# KiCad board module.kicad_pcb
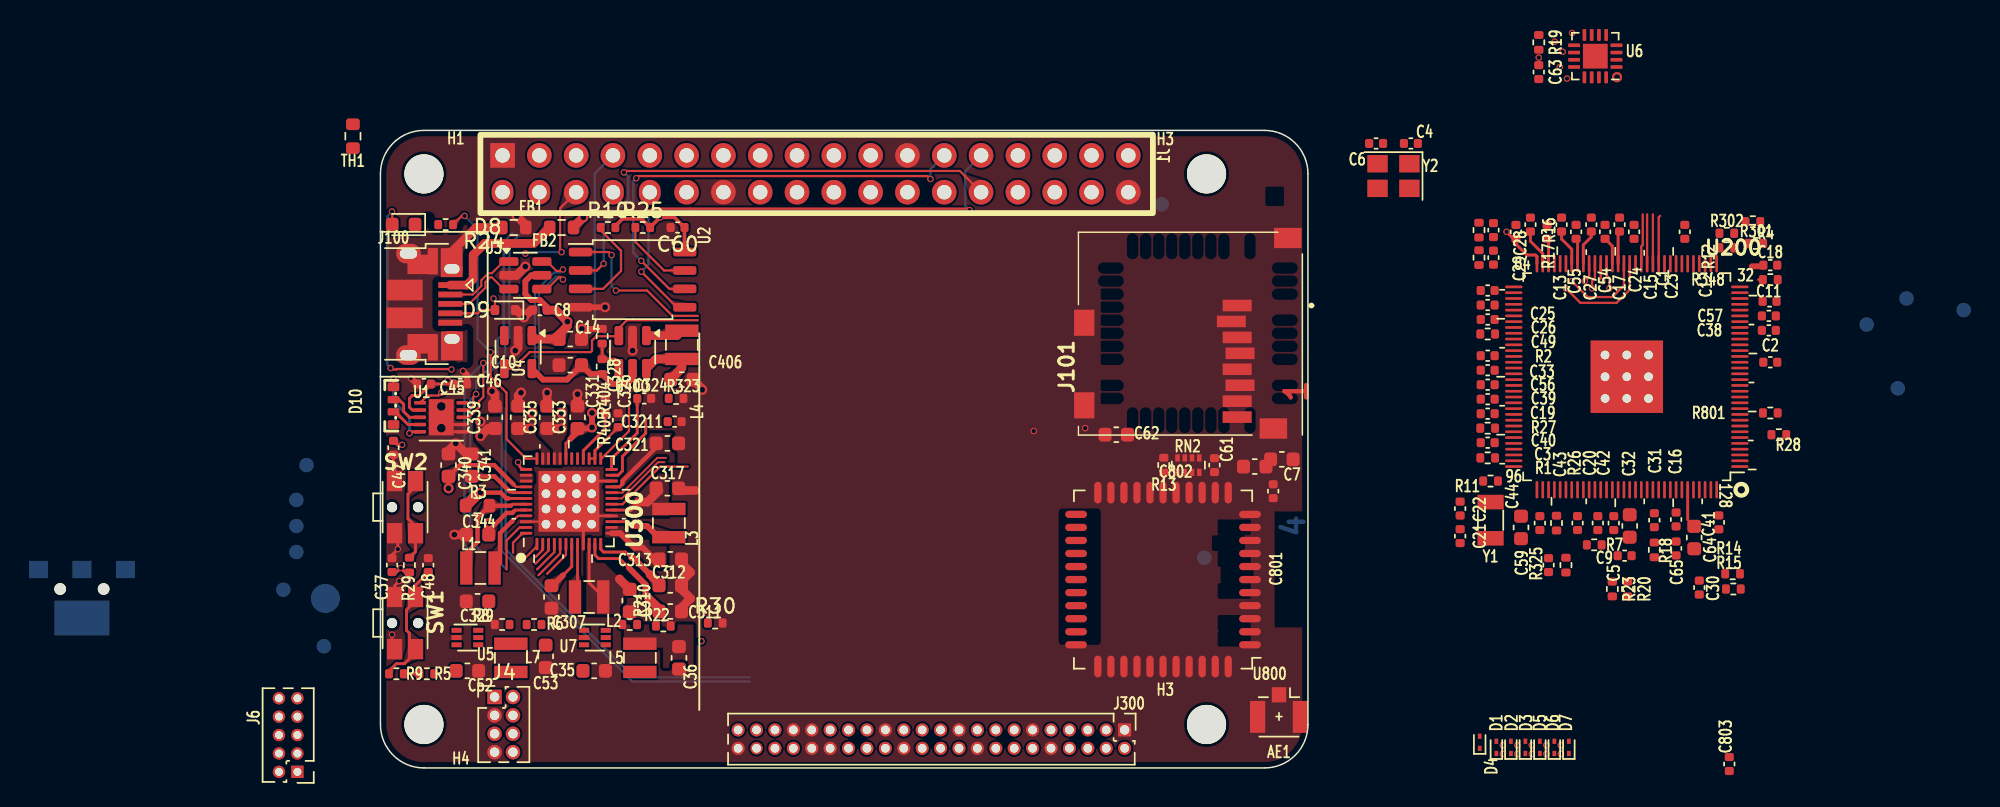
[diagram p0: board, top side]
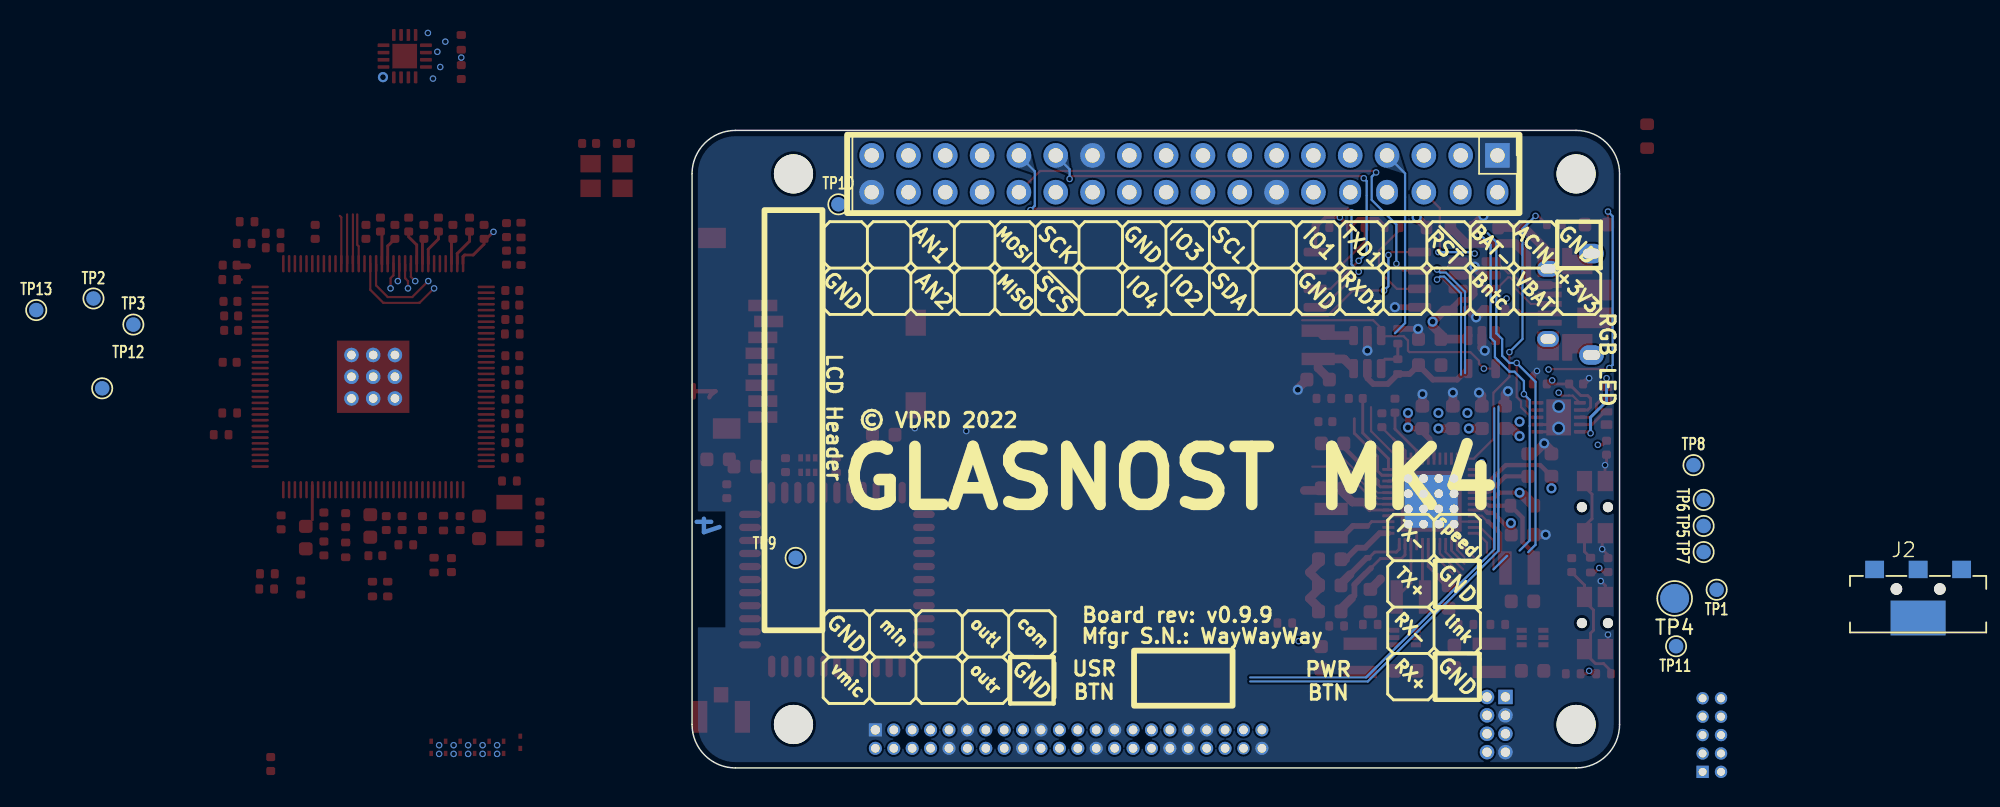
[diagram p1: board, bottom side, seen from below]

Outline 64 x 44 mm; copper layers: Top, In1.Cu (plane), In2.Cu (plane), Bottom. Coordinates in mm from the lower left corner of the outline.
Outline path: 0,41 0,3 arc(0.88,0.88) 3,0 61,0 arc(63.12,0.88) 64,3 64,41 arc(63.12,43.12) 61,44 3,44 arc(0.88,43.12) 0,41
Stack: Top 0.035mm / dielectric 0.2mm FR4 er 4.5 / In1.Cu 0.0175mm / dielectric 0.465mm FR4 er 4.5 / In2.Cu 0.0175mm / dielectric 0.2mm FR4 er 4.5 / Bottom 0.035mm

## Placement (name value [footprint] x y rotation side)
AE1  Antenna_Shield  [U.FL_Hirose_U.FL-R-SMT-1_Vertical]  62 4 270 top
C1  100nF  [C_0402_1005Metric]  85.5 37.5 90 top
C2  100nF  [C_0402_1005Metric]  95.9 28 0 top
C3  100nF  [C_0402_1005Metric]  76.4 22.45 180 top
C4  22pF  [C_0402_1005Metric]  71.1 43.1 0 top
C5  100nF  [C_0402_1005Metric]  85.1 16.9 270 top
C6  22pF  [C_0402_1005Metric]  68.7 43.1 180 top
C7  10uF  [C_0603_1608Metric]  62.2 21.3 0 top
C8  100nF  [C_0402_1005Metric]  11 31.6 180 top
C9  1uF  [C_0402_1005Metric]  85.85 14.65 180 top
C10  10uF  [C_0603_1608Metric]  13.1 27.8 180 top
C11  100nF  [C_0402_1005Metric]  95.85 32.2 0 top
C12  100nF  [C_0402_1005Metric]  90 37 90 top
C13  100nF  [C_0402_1005Metric]  78.35 37 90 top
C14  10uF  [C_0603_1608Metric]  13.1 29.6 0 top
C15  100nF  [C_0402_1005Metric]  84.5 37 90 top
C16  100nF  [C_0402_1005Metric]  89.4 17.15 270 top
C17  100nF  [C_0402_1005Metric]  82.5 37 90 top
C18  100nF  [C_0402_1005Metric]  95.9 34.7 0 top
C19  100nF  [C_0402_1005Metric]  76.4 25.45 180 top
C20  100nF  [C_0402_1005Metric]  82.6 16.9 270 top
C21  22pF  [C_0402_1005Metric]  74.5 16 90 top
C22  22pF  [C_0402_1005Metric]  74.5 17.9 270 top
C23  100nF  [C_0402_1005Metric]  86.5 37 90 top
C24  100nF  [C_0402_1005Metric]  83.55 37.5 90 top
C25  100nF  [C_0402_1005Metric]  76.4 32.95 180 top
C26  100nF  [C_0402_1005Metric]  76.4 31.95 180 top
C27  100nF  [C_0402_1005Metric]  80.5 37 90 top
C28  100nF  [C_0402_1005Metric]  76.8 37.12 270 top
C29  100nF  [C_0402_1005Metric]  76.8 35.22 270 top
C30  1uF  [C_0402_1005Metric]  91 12.45 270 top
C31  1uF  [C_0402_1005Metric]  87.9 17.1 270 top
C32  10uF  [C_0603_1608Metric]  86.2 16.7 270 top
C33  100nF  [C_0402_1005Metric]  76.4 28.45 180 top
C35  10uF  [C_0603_1608Metric]  14.75 6.7 0 top
C36  10uF  [C_0603_1608Metric]  20.6 7.6 270 top
C37  100nF  [C_0402_1005Metric]  0.8 14 90 top
C38  100nF  [C_0402_1005Metric]  95.8 30.2 0 top
C39  100nF  [C_0402_1005Metric]  76.4 26.45 180 top
C40  100nF  [C_0402_1005Metric]  76.4 24.45 180 top
C41  100nF  [C_0402_1005Metric]  92.35 16.95 270 top
C42  100nF  [C_0402_1005Metric]  84 16.9 270 top
C43  1uF  [C_0402_1005Metric]  80 16.9 270 top
C44  4.7uF  [C_0603_1608Metric]  78.7 16.6 270 top
C45  1uF  [C_0402_1005Metric]  3 26.5 180 top
C46  100nF  [C_0402_1005Metric]  5.5 26.5 0 top
C47  1uF  [C_0402_1005Metric]  0.9 22.1 270 top
C48  100nF  [C_0402_1005Metric]  3.3 14 90 top
C49  100nF  [C_0402_1005Metric]  76.4 30.95 180 top
C52  10uF  [C_0603_1608Metric]  6 6.7 0 top
C53  10uF  [C_0603_1608Metric]  11.4 7.7 270 top
C54  100nF  [C_0402_1005Metric]  81.5 37.5 90 top
C55  100nF  [C_0402_1005Metric]  79.35 37.5 90 top
C56  100nF  [C_0402_1005Metric]  76.4 27.45 180 top
C57  100nF  [C_0402_1005Metric]  95.8 31.2 0 top
C59  10nF  [C_0402_1005Metric]  80.6 14 270 top
C60  1uF  [C_0402_1005Metric]  20.5 37.3 180 top
C61  100nF  [C_0402_1005Metric]  57.55 20.9 270 top
C62  4.7uF  [C_0603_1608Metric]  50.77 23 0 top
C63  1uF  [C_0402_1005Metric]  79.93 48.02 270 top
C64  10uF  [C_0603_1608Metric]  90.65 15.9 270 top
C65  100nF  [C_0402_1005Metric]  89.4 15.15 90 top
C307  10uF  [C_0603_1608Metric]  11.8 11.8 270 top
C310  10uF  [C_0603_1608Metric]  17.2 11.55 270 top
C311  4.7uF  [C_0603_1608Metric]  20 10.8 0 top
C312  4.7uF  [C_0603_1608Metric]  20 12.6 0 top
C313  10uF  [C_0603_1608Metric]  20 14.4 0 top
C317  10uF  [C_0603_1608Metric]  19.8 19.3 0 top
C321  4.7uF  [C_0603_1608Metric]  19.8 22.4 0 top
C324  1uF  [C_0402_1005Metric]  18.2 25.5 0 top
C326  1uF  [C_0402_1005Metric]  16.4 24 90 top
C328  1uF  [C_0402_1005Metric]  15.5 25 90 top
C329  10uF  [C_0603_1608Metric]  6.7 11.5 180 top
C331  10uF  [C_0603_1608Metric]  13.6 24.2 90 top
C333  10uF  [C_0603_1608Metric]  11.5 24.2 90 top
C335  10uF  [C_0603_1608Metric]  9.5 24.2 90 top
C339  10uF  [C_0603_1608Metric]  7.9 24.2 90 top
C340  10uF  [C_0603_1608Metric]  4.7 20.9 90 top
C341  4.7uF  [C_0603_1608Metric]  6.3 20.9 90 top
C344  4.7uF  [C_0603_1608Metric]  6.7 16.1 180 top
C406  10uF  [C_0603_1608Metric]  20.8 26.8 0 top
C801  100nF  [C_0402_1005Metric]  61.6 19.1 270 top
C802  4.7uF  [C_0603_1608Metric]  60.32 20.8 0 top
C803  100nF  [C_0402_1005Metric]  93.07 0.27 90 top
C3211  100nF  [C_0402_1005Metric]  20.3 23.9 0 top
D1  3V3  [D_SOD-923]  77 1.42 90 top
D2  3V3  [D_SOD-923]  78 1.42 90 top
D3  3V3  [D_SOD-923]  79 1.42 90 top
D4  3V3  [D_SOD-923]  75.85 1.77 90 top
D5  3V3  [D_SOD-923]  80 1.42 90 top
D6  3V3  [D_SOD-923]  81 1.42 90 top
D7  3V3  [D_SOD-923]  82 1.42 90 top
D8  LED_Small  [LED_0603_1608Metric]  1.6 37.5 180 top
D9  5V  [D_SOD-523]  8.6 31.6 180 top
D10  LED_RGBA  [rgb-1204]  0.4 25 90 top
FB1  FerriteBead_Small  [R_0603_1608Metric]  9.2 37.3 0 top
FB2  FerriteBead_Small  [R_0603_1608Metric]  12.5 37.3 0 top
H1  MountingHole  [MountingHole_2.7mm_M2.5]  3 41 0 top
H3  MountingHole  [MountingHole_2.7mm_M2.5]  57 3 0 top
H3#2  MountingHole  [MountingHole_2.7mm_M2.5]  57 41 0 top
H4  MountingHole  [MountingHole_2.7mm_M2.5]  3 3 0 top
J1  Conn_02x18_Odd_Even  [PinHeader_2x18_P2.54mm_Vertical]  8.42 42.27 270 bottom
J2  Conn_01x03_MountingPin  [BY03-3060Y]  -20.6 13.05 180 bottom
J4  Conn_02x04_Odd_Even  [PinHeader_2x04_P1.27mm_Vertical]  7.88 4.9 0 top
J6  Conn_02x05_Odd_Even  [PinHeader_2x05_P1.27mm_Vertical]  -5.73 -0.27 180 top
J100  USB_B_Micro  [USB_Micro-B_Amphenol_10103594-0001LF_Horizontal]  3.05 32 270 top
J101  Micro_SD_Card_Det  [MEM20610118800A]  59.11 24.22 90 top
J300  Conn_02x22_Odd_Even  [PinHeader_2x22_P1.27mm_Vertical]  51.35 2.62 270 top
L1  4.7uH  [L_Wuerth_MAPI-2512]  6.9 13.8 180 top
L2  4.7uH  [L_Wuerth_MAPI-2512]  14.4 11.8 0 top
L3  4.7uH  [L_Wuerth_MAPI-2512]  19.9 16.9 90 top
L4  4.7uH  [L_Wuerth_MAPI-2510]  20.8 29.2 270 top
L5  1uH  [L_Wuerth_MAPI-2510]  17.9 7.6 90 top
L7  1uH  [L_Wuerth_MAPI-2510]  9 7.6 90 top
R1  6.04k  [R_0402_1005Metric]  76.4 21.4 180 top
R2  240  [R_0402_1005Metric]  76.4 29.95 180 top
R3  30m  [R_0603_1608Metric]  6.7 18.1 180 top
R4  2.2k  [R_0402_1005Metric]  94.7 37.7 0 top
R5  1k  [R_0402_1005Metric]  3.2 6.5 0 top
R6  ~  [R_0402_1005Metric]  10.6 9.9 180 top
R7  24  [R_0402_1005Metric]  83.75 15.4 180 top
R8  200k  [R_0402_1005Metric]  8.4 9.9 180 top
R9  1k  [R_0402_1005Metric]  1.1 6.5 0 top
R10  10k  [R_0402_1005Metric]  15.7 37.3 0 top
R11  10M  [R_0402_1005Metric]  76.6 19.8 180 top
R12  100K  [R_0402_1005Metric]  92.9 35.9 180 top
R13  33k  [R_0402_1005Metric]  54.05 20.9 90 top
R14  33k  [R_0402_1005Metric]  93.3 13.4 0 top
R15  33k  [R_0402_1005Metric]  93.35 12.35 0 top
R16  2.2k  [R_0402_1005Metric]  75.8 37.12 90 top
R17  2.2k  [R_0402_1005Metric]  75.8 35.22 90 top
R18  200k  [R_0402_1005Metric]  87.9 15.05 270 top
R19  2.2k  [R_0402_1005Metric]  79.93 50.08 270 top
R20  0  [R_0402_1005Metric]  86.05 12.35 270 top
R21  200k  [R_0402_1005Metric]  17.2 9.9 0 top
R22  100k  [R_0402_1005Metric]  19.52 9.8 0 top
R23  0  [R_0402_1005Metric]  85 12.35 270 top
R24  2.2k  [R_0402_1005Metric]  4.5 37.5 0 top
R25  10k  [R_0402_1005Metric]  18.1 37.3 0 top
R26  10k  [R_0402_1005Metric]  81.15 16.9 270 top
R27  10k  [R_0402_1005Metric]  76.4 23.45 0 top
R28  10k  [R_0402_1005Metric]  96.49 23 0 top
R29  1k  [R_0402_1005Metric]  2 14 270 top
R30  47k  [R_0402_1005Metric]  23.1 10 0 top
R301  1.8k  [R_0402_1005Metric]  94.9 36.2 0 top
R302  1.8k  [R_0402_1005Metric]  92.9 36.9 0 top
R323  200K  [R_0402_1005Metric]  20.4 25.5 0 top
R325  47k  [R_0402_1005Metric]  81.8 14 270 top
R348  47k  [R_0402_1005Metric]  95.9 33.7 180 top
R404  562k  [R_0402_1005Metric]  15.3 29.8 90 top
R405  976k  [R_0402_1005Metric]  15.3 27.7 90 top
R801  24  [R_0402_1005Metric]  95.9 24.5 0 top
RN2  33k  [R_Array_Concave_4x0402]  55.75 20.9 270 top
SW1  SW_Push  [SW_SPST_EVQP7C]  1.7 10 270 top
SW2  SW_Push  [SW_SPST_EVQP7C]  1.7 18 270 top
TH1  Thermistor_NTC  [R_0603_1608Metric]  -1.9 43.6 90 top
TP1  TestPoint  [TestPoint_Pad_D1.0mm]  -6.7 12.3 180 bottom
TP2  TestPoint  [TestPoint_Pad_D1.0mm]  105.3 32.4 180 bottom
TP3  TestPoint  [TestPoint_Pad_D1.0mm]  102.55 30.6 180 bottom
TP4  TestPoint  [TestPoint_Pad_D2.0mm]  -3.8 11.7 0 bottom
TP5  TestPoint  [TestPoint_Pad_D1.0mm]  -5.8 16.7 90 bottom
TP6  TestPoint  [TestPoint_Pad_D1.0mm]  -5.8 18.5 90 bottom
TP7  TestPoint  [TestPoint_Pad_D1.0mm]  -5.8 14.9 90 bottom
TP8  TestPoint  [TestPoint_Pad_D1.0mm]  -5.1 20.9 180 bottom
TP9  TestPoint  [TestPoint_Pad_D1.0mm]  56.85 14.5 180 bottom
TP10  TestPoint  [TestPoint_Pad_D1.0mm]  53.9 38.9 180 bottom
TP11  TestPoint  [TestPoint_Pad_D1.0mm]  -3.9 8.4 180 bottom
TP12  TestPoint  [TestPoint_Pad_D1.0mm]  104.7 26.2 180 bottom
TP13  TestPoint  [TestPoint_Pad_D1.0mm]  109.25 31.6 180 bottom
U1  IS31FL3193  [DFN-10-1EP_3x3mm_P0.5mm_EP1.7x2.5mm]  4.2 24.2 0 top
U2  MX25R3235FM2xx1  [SOP-8_5.28x5.23mm_P1.27mm]  17.4 33.7 0 top
U3  USBLC6-2P6  [SOT-23-6]  10 34 0 top
U4  AP22811  [SOT-23-5]  9.5 28.7 270 top
U5  AP61100  [SOT-563]  6 9 0 top
U6  PCA6408A  [QFN-16-1EP_3x3mm_P0.5mm_EP1.7x1.7mm]  83.82 49.12 180 top
U7  AP61100  [SOT-563]  14.8 9 0 top
U200  V3s  [QFP-128_14x14_Pitch0.4mm]  86 27 180 top
U300  AXP203  [QFN-48-1EP_6x6mm_P0.4mm_EP4.2x4.2mm_ThermalVias]  13 18.4 90 top
U400  MCP1640CH  [SOT-23-6]  17.4 28.7 270 top
U800  RTL8723BS  [lga44_12x12mm_P0.9]  54 13 180 top
Y1  Crystal_Small  [Crystal_SMD_3215-2Pin_3.2x1.5mm]  76.6 17.1 90 top
Y2  24MHz  [Crystal_SMD_3225-4Pin_3.2x2.5mm]  69.9 40.85 180 top

## Library data of the parts
C1-C33 C35-C49 C52-C57 C59-C65 C307 C310-C313 C317 C321 C324 C326 C328 C329 C331 C333 C335 C339-C341 C344 C406 C801-C803 C3211 = -: ki_fp_filters: C_*
D1-D7 D9 = -: Datasheet: https://www.onsemi.com/pub/Collateral/ESD9B-D.PDF; ki_fp_filters: D*SOD?923*
D8 D10 = -: ki_fp_filters: LED* LED_SMD:* LED_THT:*
FB1 FB2 = -: ki_fp_filters: Inductor_* L_* *Ferrite*
H1 H3 H3#2 H4 = -: ki_fp_filters: MountingHole*
J1 J6 J300 = -: ki_fp_filters: Connector*:*_2x??_*
J2 = -: Description: Generic connectable mounting pin connector, single row, 01x03, script generated (kicad-library-utils/schlib/autogen/connector/); ki_fp_filters: Connector*:*_1x??-1MP*
J4 = -: Description: Generic connector, double row, 02x04, odd/even pin numbering scheme (row 1 odd numbers, row 2 even numbers), script generated (kicad-library-utils/schlib/autogen/connector/); ki_fp_filters: Connector*:*_2x??_*
J100 = -: ki_fp_filters: USB*
J101 = -: Datasheet: https://www.hirose.com/product/en/download_file/key_name/DM3/category/Catalog/doc_file_id/49662/?file_category_id=4&item_id=195&is_series=1; ki_fp_filters: microSD*
L1-L5 L7 = -: ki_fp_filters: Choke_* *Coil* Inductor_* L_*
R1-R30 R301 R302 R323 R325 R348 R404 R405 R801 = -: ki_fp_filters: R_*
RN2 = -: ki_fp_filters: DIP* SOIC* R*Array*Concave* R*Array*Convex*
TH1 = -: ki_fp_filters: *NTC* *Thermistor* PIN?ARRAY* bornier* *Terminal?Block* R_*
TP1-TP13 = -: ki_fp_filters: Pin* Test*
U2 = -: Datasheet: http://www.macronix.com/Lists/Datasheet/Attachments/7534/MX25R3235F,%20Wide%20Range,%2032Mb,%20v1.6.pdf; ki_fp_filters: SOP*5.28x5.23mm*P1.27mm*
U3 = -: Datasheet: https://www.st.com/resource/en/datasheet/usblc6-2.pdf; ki_fp_filters: SOT?666*
U5 U7 = -: ki_fp_filters: TSOT?23*
U400 = -: Datasheet: http://ww1.microchip.com/downloads/en/DeviceDoc/20002234D.pdf; ki_fp_filters: SOT?23*
Y1 Y2 = -: ki_fp_filters: Crystal*

## Footprints (pads in the part's own frame, mm; a bottom-side part is the same pattern mirrored in y, then rotated)
BY03-3060Y
  round 0.8 hole 0.8 unplated: (-1.5,-0.7) (1.5,-0.7)
  rect 1.3x1.2 smd: 1(-3,0.65) 2(0,0.65) 3(3,0.65)
  rect 3.8x2.4 smd: SH(0,-2.7)
C_0402_1005Metric
  rrect 0.56x0.62 smd: 1(-0.48,0) 2(0.48,0)
C_0603_1608Metric
  rrect 0.9x0.95 smd: 1(-0.775,0) 2(0.775,0)
Crystal_SMD_3215-2Pin_3.2x1.5mm
  rect 1x1.8 smd: 1(1.25,0) 2(-1.25,0)
Crystal_SMD_3225-4Pin_3.2x2.5mm
  rect 1.4x1.2 smd: 1(-1.1,-0.85) 2(1.1,-0.85) 3(1.1,0.85) 4(-1.1,0.85)
D_SOD-523
  rrect 0.6x0.7 smd: 1(-0.7,0) 2(0.7,0)
D_SOD-923
  rect 0.36x0.25 smd: 1(-0.42,0) 2(0.42,0)
DFN-10-1EP_3x3mm_P0.5mm_EP1.7x2.5mm
  rrect 0.69x1.01 smd: (-0.425,0.625) (-0.425,-0.625) (0.425,0.625) (0.425,-0.625)
  rrect 0.825x0.25 smd: 1(-1.462,1) 2(-1.462,0.5) 3(-1.462,0) 4(-1.462,-0.5) 5(-1.462,-1) 6(1.462,-1) 7(1.462,-0.5) 8(1.462,0) 9(1.462,0.5) 10(1.462,1)
  rect 1.7x2.5 smd: 11(0,0)
L_Wuerth_MAPI-2510
  rect 0.85x2.3 smd: 1(-0.975,0) 2(0.975,0)
L_Wuerth_MAPI-2512
  rect 0.85x2.3 smd: 1(-0.975,0) 2(0.975,0)
LED_0603_1608Metric
  rrect 0.875x0.95 smd: 1(-0.788,0) 2(0.788,0)
lga44_12x12mm_P0.9
  oval 1.5x0.5 smd: 1(-6,4.5) 2(-6,3.6) 3(-6,2.7) 4(-6,1.8) 5(-6,0.9) 6(-6,0) 7(-6,-0.9) 8(-6,-1.8) 9(-6,-2.7) 10(-6,-3.6) 11(-6,-4.5) 23(6,-4.5) 24(6,-3.6) 25(6,-2.7) 26(6,-1.8) 27(6,-0.9) 28(6,0) 29(6,0.9) 30(6,1.8) 31(6,2.7) 32(6,3.6) 33(6,4.5)
  oval 0.5x1.5 smd: 12(-4.5,-6) 13(-3.6,-6) 14(-2.7,-6) 15(-1.8,-6) 16(-0.9,-6) 17(0,-6) 18(0.9,-6) 19(1.8,-6) 20(2.7,-6) 21(3.6,-6) 22(4.5,-6) 34(4.5,6) 35(3.6,6) 36(2.7,6) 37(1.8,6) 38(0.9,6) 39(0,6) 40(-0.9,6) 41(-1.8,6) 42(-2.7,6) 43(-3.6,6) 44(-4.5,6)
MEM20610118800A
  rect 1.8x1.4 smd: CD1(6.51,10.55) CD2(0.81,10.55)
  rect 1.4x1.9 smd: G1(12.36,-3.5) G2(-0.79,-2.5)
  rect 0.8x2 smd: P1(7.7,0) P2(6.6,0.4) P3(5.5,0) P4(4.4,-0.2) P5(3.3,0) P6(2.2,-0.2) P7(1.1,0) P8(0,0)
MountingHole_2.7mm_M2.5
  round 2.7 hole 2.7 unplated: (0,0)
PinHeader_2x04_P1.27mm_Vertical
  rect 1x1 hole 0.65: 1(0,0)
  oval 1x1 hole 0.65: 2(1.27,0) 3(0,-1.27) 4(1.27,-1.27) 5(0,-2.54) 6(1.27,-2.54) 7(0,-3.81) 8(1.27,-3.81)
PinHeader_2x05_P1.27mm_Vertical
  rect 0.85x0.85 hole 0.55: 1(0,0)
  round 0.85 hole 0.55: 2(1.27,0) 3(0,-1.27) 4(1.27,-1.27) 5(0,-2.54) 6(1.27,-2.54) 7(0,-3.81) 8(1.27,-3.81) 9(0,-5.08) 10(1.27,-5.08)
PinHeader_2x18_P2.54mm_Vertical
  rect 1.7x1.7 hole 1: 1(0,0)
  oval 1.7x1.5 hole 1: 2(2.54,0) 4(2.54,-2.54) 8(2.54,-7.62) 10(2.54,-10.16)
  oval 1.7x1.7 hole 1: 3(0,-2.54) 5(0,-5.08) 6(2.54,-5.08) 7(0,-7.62) 9(0,-10.16) 11(0,-12.7) 12(2.54,-12.7) 13(0,-15.24) 14(2.54,-15.24) 15(0,-17.78) 16(2.54,-17.78) 17(0,-20.32) 18(2.54,-20.32) 19(0,-22.86) 20(2.54,-22.86) 21(0,-25.4) 22(2.54,-25.4) 23(0,-27.94) 24(2.54,-27.94) 25(0,-30.48) 26(2.54,-30.48) 27(0,-33.02) 28(2.54,-33.02) 29(0,-35.56) 30(2.54,-35.56) 31(0,-38.1) 32(2.54,-38.1) 33(0,-40.64) 34(2.54,-40.64) 35(0,-43.18) 36(2.54,-43.18)
PinHeader_2x22_P1.27mm_Vertical
  rect 0.9x0.9 hole 0.65: 1(0,0)
  round 0.9 hole 0.6: 2(1.27,0) 3(0,-1.27) 4(1.27,-1.27) 5(0,-2.54) 6(1.27,-2.54) 7(0,-3.81) 8(1.27,-3.81) 9(0,-5.08) 10(1.27,-5.08) 11(0,-6.35) 12(1.27,-6.35) 13(0,-7.62) 14(1.27,-7.62) 15(0,-8.89) 16(1.27,-8.89) 17(0,-10.16) 18(1.27,-10.16) 19(0,-11.43) 20(1.27,-11.43) 21(0,-12.7) 22(1.27,-12.7) 23(0,-13.97) 24(1.27,-13.97) 25(0,-15.24) 26(1.27,-15.24) 27(0,-16.51) 28(1.27,-16.51) 29(0,-17.78) 30(1.27,-17.78) 31(0,-19.05) 32(1.27,-19.05) 33(0,-20.32) 34(1.27,-20.32) 35(0,-21.59) 36(1.27,-21.59) 37(0,-22.86) 38(1.27,-22.86) 39(0,-24.13) 40(1.27,-24.13) 41(0,-25.4) 43(0,-26.67) 44(1.27,-26.67)
  round 0.85 hole 0.6: 42(1.27,-25.4)
QFN-16-1EP_3x3mm_P0.5mm_EP1.7x1.7mm
  rrect 0.69x0.69 smd: (-0.425,0.425) (-0.425,-0.425) (0.425,0.425) (0.425,-0.425)
  rrect 0.825x0.25 smd: 1(-1.462,0.75) 2(-1.462,0.25) 3(-1.462,-0.25) 4(-1.462,-0.75) 9(1.462,-0.75) 10(1.462,-0.25) 11(1.462,0.25) 12(1.462,0.75)
  rrect 0.25x0.825 smd: 5(-0.75,-1.462) 6(-0.25,-1.462) 7(0.25,-1.462) 8(0.75,-1.462) 13(0.75,1.462) 14(0.25,1.462) 15(-0.25,1.462) 16(-0.75,1.462)
  rect 1.7x1.7 smd: 17(0,0)
QFN-48-1EP_6x6mm_P0.4mm_EP4.2x4.2mm_ThermalVias
  custom 0.295x0.295 smd: (-1.837,1.837) (-1.837,-1.837) (1.837,1.837) (1.837,-1.837)
  custom 0.331x0.331 smd: (-1.837,1.05) (-1.837,0) (-1.837,-1.05) (-1.05,1.837) (-1.05,-1.837) (0,1.837) (0,-1.837) (1.05,1.837) (1.05,-1.837) (1.837,1.05) (1.837,0) (1.837,-1.05)
  rrect 0.847x0.847 smd: (-1.05,1.05) (-1.05,0) (-1.05,-1.05) (0,1.05) (0,0) (0,-1.05) (1.05,1.05) (1.05,0) (1.05,-1.05)
  rrect 0.85x0.2 smd: 1(-2.95,2.2) 2(-2.95,1.8) 3(-2.95,1.4) 4(-2.95,1) 5(-2.95,0.6) 6(-2.95,0.2) 7(-2.95,-0.2) 8(-2.95,-0.6) 9(-2.95,-1) 10(-2.95,-1.4) 11(-2.95,-1.8) 12(-2.95,-2.2) 25(2.95,-2.2) 26(2.95,-1.8) 27(2.95,-1.4) 28(2.95,-1) 29(2.95,-0.6) 30(2.95,-0.2) 31(2.95,0.2) 32(2.95,0.6) 33(2.95,1) 34(2.95,1.4) 35(2.95,1.8) 36(2.95,2.2)
  rrect 0.2x0.85 smd: 13(-2.2,-2.95) 14(-1.8,-2.95) 15(-1.4,-2.95) 16(-1,-2.95) 17(-0.6,-2.95) 18(-0.2,-2.95) 19(0.2,-2.95) 20(0.6,-2.95) 21(1,-2.95) 22(1.4,-2.95) 23(1.8,-2.95) 24(2.2,-2.95) 37(2.2,2.95) 38(1.8,2.95) 39(1.4,2.95) 40(1,2.95) 41(0.6,2.95) 42(0.2,2.95) 43(-0.2,2.95) 44(-0.6,2.95) 45(-1,2.95) 46(-1.4,2.95) 47(-1.8,2.95) 48(-2.2,2.95)
  round 0.6 hole 0.6: 49(-1.575,1.575) 49(-1.575,0.525) 49(-1.575,-0.525) 49(-1.575,-1.575) 49(-0.525,1.575) 49(-0.525,0.525) 49(-0.525,-0.525) 49(-0.525,-1.575) 49(0.525,1.575) 49(0.525,0.525) 49(0.525,-0.525) 49(0.525,-1.575) 49(1.575,1.575) 49(1.575,0.525) 49(1.575,-0.525) 49(1.575,-1.575)